# Altium PCB PA_8CH_CTRL.PcbDoc (part 6 of 11) (continued)
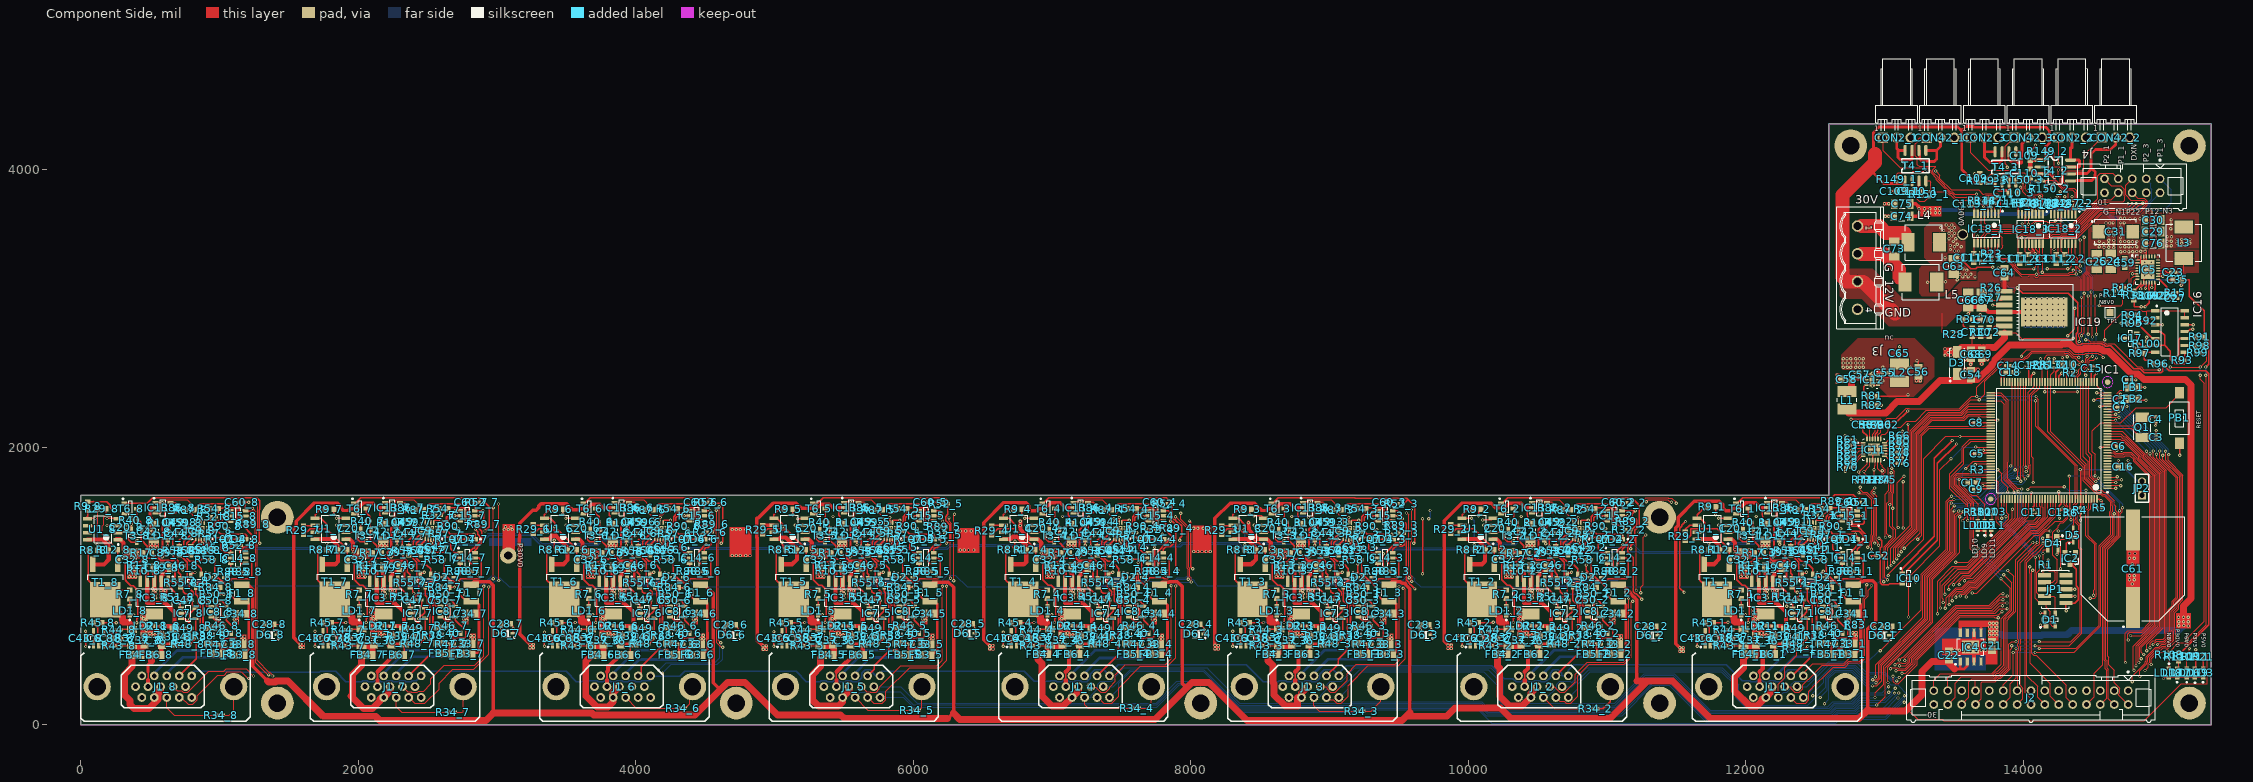
[diagram p0: Component Side view]
## Nets (pads, with @x,y where several pads share a name; then routed paths per layer and width w, separated by ;. In a path a pad name is that pad's centre, name@x,y a point inside that pad or via, vN(x,y) a via of type N, cw(c..) or ccw(c..) an arc to the next point about the centre after c; other vN are vias at no path point) (continued)
MEAS_I_N8V_7: C46_7.1 IC9_7.10 R55_7.2 | length 495.8
  Component Side w10: v1(2316.73,1286.95) 2316.73,1376.01 2350.56,1409.84 IC9_7.10@2455.47,1409.84 ; v1(2320.54,1229.14) 2320.54,1214.51 2354.54,1180.51 2354.54,1102.24 2373.54,1083.24 R55_7.2@2373.54,1056.5
  Solder Side w10: v1(2316.73,1286.95) 2320.54,1283.14 v1(2320.54,1229.14)
MEAS_I_N8V_8: C46_8.1 IC9_8.10 R55_8.2 | length 495.8
  Component Side w10: v1(663.19,1285.81) 663.19,1374.87 697.02,1408.7 IC9_8.10@801.93,1408.7 ; v1(667,1228) 667,1213.37 701,1179.37 701,1101.1 720,1082.1 R55_8.2@720,1055.35
  Solder Side w10: v1(663.19,1285.81) 667,1282 v1(667,1228)
MEAS_I_P6V_1: C44_1.1 IC9_1.11 R53_1.2 | length 159.6
  Component Side w10: R53_1.2@12331.17,1287.64 12325.17,1293.64 12325.17,1330.14 12357.89,1362.86 C44_1.1@12357.89,1381.14 ; C44_1.1@12366.89,1388.14 12368.91,1390.16 IC9_1.11@12416.1,1390.16
MEAS_I_P6V_2: C44_2.1 IC9_2.11 R53_2.2 | length 159.6
  Component Side w10: R53_2.2@10638.26,1287.64 10632.26,1293.64 10632.26,1330.14 10664.98,1362.86 C44_2.1@10664.98,1381.14 ; C44_2.1@10673.98,1388.14 10675.99,1390.16 IC9_2.11@10723.19,1390.16
MEAS_I_P6V_3: C44_3.1 IC9_3.11 R53_3.2 | length 159.6
  Component Side w10: R53_3.2@8984.72,1287.64 8978.72,1293.64 8978.72,1330.14 9011.43,1362.86 C44_3.1@9011.43,1381.14 ; C44_3.1@9020.43,1388.14 9022.45,1390.16 IC9_3.11@9069.65,1390.16
MEAS_I_P6V_4: C44_4.1 IC9_4.11 R53_4.2 | length 159.6
  Component Side w10: R53_4.2@7331.17,1287.64 7325.17,1293.64 7325.17,1330.14 7357.89,1362.86 C44_4.1@7357.89,1381.14 ; C44_4.1@7366.89,1388.14 7368.91,1390.16 IC9_4.11@7416.1,1390.16
MEAS_I_P6V_5: C44_5.1 IC9_5.11 R53_5.2 | length 159.6
  Component Side w10: R53_5.2@5677.63,1287.64 5671.63,1293.64 5671.63,1330.14 5704.35,1362.86 C44_5.1@5704.35,1381.14 ; C44_5.1@5713.35,1388.14 5715.36,1390.16 IC9_5.11@5762.56,1390.16
MEAS_I_P6V_6: C44_6.1 IC9_6.11 R53_6.2 | length 159.6
  Component Side w10: R53_6.2@4024.09,1287.64 4018.09,1293.64 4018.09,1330.14 4050.8,1362.86 C44_6.1@4050.8,1381.14 ; C44_6.1@4059.8,1388.14 4061.82,1390.16 IC9_6.11@4109.02,1390.16
MEAS_I_P6V_7: C44_7.1 IC9_7.11 R53_7.2 | length 159.6
  Component Side w10: R53_7.2@2370.54,1287.64 2364.54,1293.64 2364.54,1330.14 2397.26,1362.86 C44_7.1@2397.26,1381.14 ; C44_7.1@2406.26,1388.14 2408.28,1390.16 IC9_7.11@2455.47,1390.16
MEAS_I_P6V_8: C44_8.1 IC9_8.11 R53_8.2 | length 159.6
  Component Side w10: R53_8.2@717,1286.5 711,1292.5 711,1329 743.72,1361.72 C44_8.1@743.72,1380 ; C44_8.1@752.72,1387 754.73,1389.02 IC9_8.11@801.93,1389.02
MEAS_I_P29V_1: C39_1.1 IC9_1.12 R45_1.2 | length 1354.8
  Component Side w10: R45_1.2@11768.11,736.46 11868.46,736.46 v1(11872,740) ; 11940.17,1038.14 11972.92,1005.39 11992.83,1005.39 12025.17,973.05 12025.17,773.09 12018.17,766.09 v1(12018.17,738.14) ; 11941.07,1039.04 11933.23,1046.87 11933.23,1160.98 11949.3,1177.05 12043.08,1177.05 12067.84,1201.81 12128.19,1201.81 v1(12130,1200) ; v1(12198.06,1212.25) 12200.72,1214.91 12232.85,1214.91 12244,1226.06 12244,1236.25 C39_1.1@12250.89,1243.14 12266.7,1258.95 12300.62,1258.95 ; 12300.65,1258.92 12348.41,1258.92 12357.54,1268.05 12357.54,1332.8 12395.21,1370.47 IC9_1.12@12416.1,1370.47
  Solder Side w10: v1(11872,740) 12016.31,740 v1(12018.17,738.14) ; v1(12130,1200) 12155.81,1200 12170.81,1185 v1(12198.06,1212.25)
MEAS_I_P29V_2: C39_2.1 IC9_2.12 R45_2.2 | length 1343.6
  Component Side w10: R45_2.2@10075.2,736.46 10175.46,736.46 v1(10179,740) ; 10247.26,1038.14 10280.01,1005.39 10299.91,1005.39 10332.26,973.05 10332.26,773.09 10325.26,766.09 v1(10325.26,738.14) ; 10248.15,1039.04 10240.31,1046.87 10240.31,1160.98 10256.39,1177.05 10350.17,1177.05 10375.72,1202.61 10432.39,1202.61 v1(10435,1200) ; v1(10505.15,1212.25) 10507.81,1214.91 10539.94,1214.91 10550.77,1225.75 10550.77,1235.94 C39_2.1@10557.98,1243.14 10573.79,1258.95 10607.71,1258.95 ; 10607.74,1258.92 10655.5,1258.92 10664.63,1268.05 10664.63,1333.89 10701.21,1370.47 IC9_2.12@10723.19,1370.47
  Solder Side w10: v1(10179,740) 10323.4,740 v1(10325.26,738.14) ; v1(10435,1200) 10492.9,1200 v1(10505.15,1212.25)
MEAS_I_P29V_3: C39_3.1 IC9_3.12 R45_3.2 | length 1356
  Component Side w10: R45_3.2@8421.65,736.46 8522.03,736.46 v1(8523.72,738.14) ; 8593.72,1038.14 8626.46,1005.39 8646.37,1005.39 8678.72,973.05 8678.72,773.09 8671.72,766.09 v1(8671.72,738.14) ; 8594.61,1039.04 8586.77,1046.87 8586.77,1160.98 8602.84,1177.05 8696.62,1177.05 8721.39,1201.81 8747.45,1201.81 8759.26,1190 8769.26,1200 v1(8780,1200) ; v1(8851.61,1212.25) 8854.27,1214.91 8886.39,1214.91 8897.23,1225.75 8897.23,1235.94 C39_3.1@8904.43,1243.14 8920.24,1258.95 8954.17,1258.95 ; 8954.2,1258.92 9001.96,1258.92 9011.09,1268.05 9011.09,1323.35 9058.21,1370.47 IC9_3.12@9069.65,1370.47
  Solder Side w10: v1(8523.72,738.14) v1(8671.72,738.14) ; v1(8780,1200) 8809.35,1200 8824.35,1185 v1(8851.61,1212.25)
MEAS_I_P29V_4: C39_4.1 IC9_4.12 R45_4.2 | length 1333.4
  Component Side w10: R45_4.2@6768.11,736.46 6868.49,736.46 v1(6870.17,738.14) ; 6940.17,1038.14 6972.92,1005.39 6992.83,1005.39 7025.17,973.05 7025.17,773.09 7018.17,766.09 v1(7018.17,738.14) ; 6941.07,1039.04 6933.23,1046.87 6933.23,1160.98 6949.3,1177.05 7043.08,1177.05 7066.03,1200 v1(7130,1200) ; v1(7198.06,1212.25) 7200.72,1214.91 7232.85,1214.91 7243.69,1225.75 7243.69,1235.94 C39_4.1@7250.89,1243.14 7266.7,1258.95 7300.62,1258.95 ; 7300.65,1258.92 7348.41,1258.92 7357.54,1268.05 7357.54,1322.77 7405.24,1370.47 IC9_4.12@7416.1,1370.47
  Solder Side w10: v1(6870.17,738.14) v1(7018.17,738.14) ; v1(7130,1200) 7185.81,1200 v1(7198.06,1212.25)
MEAS_I_P29V_5: C39_5.1 IC9_5.12 R45_5.2 | length 1339.7
  Component Side w10: R45_5.2@5114.57,736.46 5214.94,736.46 v1(5216.63,738.14) ; 5286.63,1038.14 5319.38,1005.39 5339.28,1005.39 5371.63,973.05 5371.63,773.09 5364.63,766.09 v1(5364.63,738.14) ; 5287.52,1039.04 5279.69,1046.87 5279.69,1160.98 5295.76,1177.05 5389.54,1177.05 5415.09,1202.61 5441.73,1202.61 5449.34,1195 v1(5475,1195) ; v1(5544.52,1212.25) 5547.18,1214.91 5579.31,1214.91 5590.14,1225.75 5590.14,1235.94 C39_5.1@5597.35,1243.14 5613.16,1258.95 5647.08,1258.95 5694.87,1258.92 5704,1268.05 5704,1322.77 5751.7,1370.47 IC9_5.12@5762.56,1370.47
  Solder Side w10: v1(5216.63,738.14) v1(5364.63,738.14) ; v1(5475,1195) 5527.27,1195 v1(5544.52,1212.25)
MEAS_I_P29V_6: C39_6.1 IC9_6.12 R45_6.2 | length 1352.1
  Component Side w10: R45_6.2@3461.02,736.46 3561.4,736.46 v1(3563.09,738.14) ; 3633.09,1038.14 3665.83,1005.39 3685.74,1005.39 3718.09,973.05 3718.09,773.09 3711.09,766.09 v1(3711.09,738.14) ; 3633.98,1039.04 3626.14,1046.87 3626.14,1160.98 3642.21,1177.05 3735.99,1177.05 3761.55,1202.61 3788.19,1202.61 3800.79,1190 3810.79,1200 v1(3820,1200) ; v1(3890.98,1212.25) 3893.64,1214.91 3925.76,1214.91 3936.6,1225.75 3936.6,1235.94 C39_6.1@3943.8,1243.14 3959.61,1258.95 3993.54,1258.95 4041.33,1258.92 4050.46,1268.05 4050.46,1322.77 4098.16,1370.47 IC9_6.12@4109.02,1370.47
  Solder Side w10: v1(3563.09,738.14) v1(3711.09,738.14) ; v1(3820,1200) 3858.72,1200 3868.72,1190 v1(3890.98,1212.25)
MEAS_I_P29V_7: C39_7.1 IC9_7.12 R45_7.2 | length 1333.4
  Component Side w10: R45_7.2@1807.48,736.46 1907.86,736.46 v1(1909.54,738.14) ; 1979.54,1038.14 2012.29,1005.39 2032.2,1005.39 2064.54,973.05 2064.54,773.09 2057.54,766.09 v1(2057.54,738.14) ; 1980.44,1039.04 1972.6,1046.87 1972.6,1160.98 1988.67,1177.05 2082.45,1177.05 2105.4,1200 v1(2165,1200) ; v1(2237.43,1212.25) 2240.09,1214.91 2272.22,1214.91 2283.06,1225.75 2283.06,1235.94 C39_7.1@2290.26,1243.14 2306.07,1258.95 2339.99,1258.95 2387.78,1258.92 2396.91,1268.05 2396.91,1322.77 2444.61,1370.47 IC9_7.12@2455.47,1370.47
  Solder Side w10: v1(1909.54,738.14) v1(2057.54,738.14) ; v1(2165,1200) 2225.18,1200 v1(2237.43,1212.25)
MEAS_I_P29V_8: C39_8.1 IC9_8.12 R45_8.2 | length 1342.9
  Component Side w10: R45_8.2@153.94,735.31 254.32,735.31 v1(256,737) ; 326,1037 358.75,1004.25 378.65,1004.25 411,971.91 411,771.95 404,764.95 v1(404,737) ; 326.89,1037.89 319.06,1045.73 319.06,1159.84 335.13,1175.91 428.91,1175.91 454.46,1201.46 513.54,1201.46 v1(515,1200) ; v1(587,1211) 589.77,1213.77 618.68,1213.77 629.51,1224.61 629.51,1234.8 C39_8.1@636.72,1242 652.53,1257.81 686.45,1257.81 ; 686.48,1257.78 734.24,1257.78 743.37,1266.91 743.37,1321.63 791.07,1369.33 IC9_8.12@801.93,1369.33
  Solder Side w10: v1(256,737) v1(404,737) ; v1(515,1200) 556,1200 566,1190 v1(587,1211)
MEAS_P3V3MP_1: C49_1.1 IC9_1.9 R58_1.2 R59_1.1 | length 505.1
  Component Side w10: C49_1.1@12331.17,1442.43 12333.96,1439.64 12370.17,1439.64 12380.28,1429.53 12392.17,1429.53 12392.17,1434.14 v1(12395.17,1437.14) ; v1(12399,1342) 12399,1333.42 12400,1332.42 12377.49,1309.91 12377.49,1202.37 12400.53,1179.33 12469.62,1179.33 12486.22,1195.93 12535.88,1195.93 R58_1.2@12541.67,1190.14
  Solder Side w10: v1(12395.17,1437.14) 12400,1432.31 12399,1431.31 v1(12399,1342)
MEAS_P3V3MP_2: C49_2.1 IC9_2.9 R58_2.2 R59_2.1 | length 505.2
  Component Side w10: C49_2.1@10638.26,1442.43 10641.05,1439.64 10677.26,1439.64 10687.37,1429.53 10699.26,1429.53 10699.26,1434.14 v1(10702.26,1437.14) ; v1(10707,1344) 10707,1332.34 10684.57,1309.91 10684.57,1202.37 10708.76,1178.19 10776.45,1178.19 10794.19,1195.93 10842.97,1195.93 R58_2.2@10848.76,1190.14
  Solder Side w10: v1(10702.26,1437.14) 10707,1432.4 v1(10707,1344)
MEAS_P3V3MP_3: C49_3.1 IC9_3.9 R58_3.2 R59_3.1 | length 509.6
  Component Side w10: C49_3.1@8984.72,1442.43 8987.5,1439.64 9023.72,1439.64 9033.83,1429.53 9045.72,1429.53 9045.72,1434.14 v1(9048.72,1437.14) ; v1(9060,1340) 9031.03,1311.03 9031.03,1202.37 9054.07,1179.33 9123.17,1179.33 9139.76,1195.93 9189.43,1195.93 R58_3.2@9195.21,1190.14
  Solder Side w10: v1(9048.72,1437.14) 9060,1425.86 v1(9060,1340)
MEAS_P3V3MP_4: C49_4.1 IC9_4.9 R58_4.2 R59_4.1 | length 518
  Component Side w10: C49_4.1@7331.17,1442.43 7333.96,1439.64 7370.17,1439.64 7380.28,1429.53 7392.17,1429.53 7392.17,1434.14 v1(7395.17,1437.14) ; v1(7412,1338) 7405.58,1338 7377.49,1309.91 7377.49,1202.37 7400.53,1179.33 7469.62,1179.33 7486.22,1195.93 7535.88,1195.93 R58_4.2@7541.67,1190.14
  Solder Side w10: v1(7395.17,1437.14) 7412,1420.31 v1(7412,1338)
MEAS_P3V3MP_5: C49_5.1 IC9_5.9 R58_5.2 R59_5.1 | length 517
  Component Side w10: C49_5.1@5677.63,1442.43 5680.42,1439.64 5716.63,1439.64 5726.74,1429.53 5738.63,1429.53 5738.63,1434.14 v1(5741.63,1437.14) ; v1(5759,1341) 5755.03,1341 5723.94,1309.91 5723.94,1202.37 5746.99,1179.33 5816.08,1179.33 5832.68,1195.93 5882.34,1195.93 R58_5.2@5888.13,1190.14
  Solder Side w10: v1(5741.63,1437.14) 5759,1419.77 v1(5759,1341)
MEAS_P3V3MP_6: C49_6.1 IC9_6.9 R58_6.2 R59_6.1 | length 512.7
  Component Side w10: C49_6.1@4024.09,1442.43 4026.87,1439.64 4063.09,1439.64 4073.2,1429.53 4085.09,1429.53 4085.09,1434.14 v1(4088.09,1437.14) ; v1(4102,1340) 4100.49,1340 4070.4,1309.91 4070.4,1202.37 4093.44,1179.33 4162.54,1179.33 4179.13,1195.93 4228.8,1195.93 R58_6.2@4234.58,1190.14
  Solder Side w10: v1(4088.09,1437.14) 4102,1423.23 v1(4102,1340)
MEAS_P3V3MP_7: C49_7.1 IC9_7.9 R58_7.2 R59_7.1 | length 515.6
  Component Side w10: C49_7.1@2370.54,1442.43 2373.33,1439.64 2409.54,1439.64 2419.65,1429.53 2431.54,1429.53 2431.54,1434.14 v1(2434.54,1437.14) ; v1(2453,1346) v1(2453,1346) 2416.86,1309.91 2416.86,1202.37 2439.9,1179.33 2508.99,1179.33 2525.59,1195.93 2575.25,1195.93 R58_7.2@2581.04,1190.14
  Solder Side w10: v1(2434.54,1437.14) 2453,1418.69 v1(2453,1346)
MEAS_P3V3MP_8: C49_8.1 IC9_8.9 R58_8.2 R59_8.1 | length 514.4
  Component Side w10: C49_8.1@717,1441.28 719.79,1438.5 756,1438.5 766.11,1428.39 778,1428.39 778,1433 v1(781,1436) ; v1(797,1341) 795.55,1341 763.31,1308.77 763.31,1201.23 786.36,1178.19 855.45,1178.19 872.05,1194.79 921.71,1194.79 R58_8.2@927.5,1189
  Solder Side w10: v1(781,1436) 797,1420 v1(797,1341)
N8V0: C26.1 C27.1 C29.2 C30.2 C31.2 C35.1 C42_1.2 C42_2.2 C42_3.2 C42_4.2 C42_5.2 C42_6.2 C42_7.2 C42_8.2 C59.2 C62.1 C74.2 C75.2 C76.2 IC5.1 IC5.2 IC5.10 IC5.26 IC5.27 IC5.28 IC5.29 IC13_1.2 IC13_2.2 IC13_3.2 IC13_4.2 IC13_5.2 IC13_6.2 IC13_7.2 IC13_8.2 R19.1 R20.1 R33.1 R91.2 R108.1 | length 20866.5
  Component Side w6: R108.1@15054.28,519.8 R108.1@15050.4,523.69 15117.27,590.55 15167.42,590.55 15168.55,589.43 15185.79,589.43 15317.12,720.76 15317.12,2517.53 v2(15314.96,2519.69)
  Component Side w10: 2156.18,1565.31 2156.18,1510.87 2161.72,1505.34 2161.72,1471.79 C42_7.2@2181.5,1452.01 ; 3809.72,1565.31 3809.72,1510.87 3815.26,1505.34 3815.26,1471.79 C42_6.2@3835.04,1452.01 ; 5463.27,1565.31 5463.27,1510.87 5468.8,1505.34 5468.8,1471.79 C42_5.2@5488.58,1452.01 ; 7116.81,1565.31 7116.81,1510.87 7122.35,1505.34 7122.35,1471.79 C42_4.2@7142.13,1452.01 ; 8770.35,1565.31 8770.35,1510.87 8775.89,1505.34 8775.89,1471.79 C42_3.2@8795.67,1452.01 ; 10423.9,1565.31 10423.9,1510.87 10429.43,1505.34 10429.43,1471.79 C42_2.2@10449.21,1452.01 ; 12116.81,1565.31 12116.81,1510.87 12122.35,1505.34 12122.35,1471.79 C42_1.2@12142.13,1452.01 ; v1(14786.86,3343.61) 14799.65,3330.82 IC5.2@14822.06,3330.82 IC5.29@14847.65,3330.82 ; R33.1@14793.86,3068.11 14798.86,3063.11 14798.86,3014.1 v1(14849.41,3014.1) v1(14877.29,3014.1) 14905.86,3042.67 R19.1@14905.86,3075.1 14906.65,3075.89 14951.84,3074.98 14989.86,3074.21 R20.1@14995.04,3074.1 ; IC5.1@14822.06,3350.5 IC5.29@14847.65,3350.5 ; v1(14846.86,3141.61) 14846.86,3153.48 14867.33,3173.95 IC5.10@14867.33,3187.12 14867.33,3252.08 IC5.29@14896.86,3281.61 ; IC5.28@14847.65,3376.09 IC5.29@14847.65,3350.5 ; IC5.29@14852.86,3330.61 14852.65,3330.82 IC5.29@14847.65,3330.82 ; IC5.27@14867.33,3376.09 14867.33,3311.13 IC5.29@14847.65,3330.82 ; v1(14876.86,3414.61) 14887.02,3404.45 IC5.26@14887.02,3376.09 IC5.29@14887.02,3324.91 ; R20.1@14989.86,3074.1 R20.1@14995.04,3074.1 ; C26.1@15034.86,3074.1 R20.1@14995.04,3074.1 ; C26.1@15034.86,3075.89 15036.65,3074.1 15078.04,3074.1 C27.1@15078.74,3074.8 ; C35.1@15143.35,3209.61 15144.3,3208.66 15196.85,3208.66 15196.85,3090.55 15302.91,2984.49 R91.2@15302.91,2798.8 15334.65,2767.07 15334.65,2598.43 v2(15314.96,2578.74) ; IC5.29@14847.65,3330.82 IC5.29@14847.65,3350.5
  Component Side w25: v1(504,1406) 508.17,1410.17 508.17,1490.21 499.14,1499.25 499.14,1545.26 508.17,1554.3 508.17,1564.17 IC13_8.2@539.29,1564.17 ; v1(1582,583) 1535.43,629.57 1535.43,1420.98 1553.93,1439.48 1553.93,1468.93 1684,1599 1850,1599 1873,1576 1873,1565 1893,1545 1929,1545 1943,1559 1996,1559 2036,1599 2105,1599 2138.69,1565.31 2156.18,1565.31 IC13_7.2@2192.83,1565.31 ; v1(3238,580) 3163.39,654.61 3163.39,1287.81 3161.62,1289.58 3161.62,1344.28 3163.39,1346.04 3163.39,1452.76 3258.32,1547.69 3281.56,1547.69 3299.31,1565.44 3299.31,1575.08 3317.23,1593 3502.69,1593 3513.97,1581.72 3513.97,1580.03 3545,1549 3586,1549 3595,1558 3651.09,1558 3683.68,1590.59 3740.34,1590.59 3765.61,1565.31 3809.72,1565.31 IC13_6.2@3846.38,1565.31 ; v1(4917,569) 4874.02,611.98 4874.02,1349.82 4870.29,1353.55 4870.29,1488.97 4880.97,1488.97 4989,1597 5157,1597 5191.3,1562.7 5191.3,1561.42 5308.05,1561.42 5337.22,1590.59 5393.88,1590.59 5419.15,1565.31 5463.27,1565.31 IC13_5.2@5499.92,1565.31 ; v1(6551,571) 6506.89,615.11 6506.89,1457.89 6650,1601 6813,1601 6833,1581 6833,1559 6849,1543 6887,1543 6901,1557 6948.48,1557 6992.48,1601 7060,1601 7095.69,1565.31 7116.81,1565.31 IC13_4.2@7153.46,1565.31 ; v1(8174,573) 8174,1488 8283,1597 8459.32,1597 8474.6,1581.72 8474.6,1580.4 8510,1545 8545,1545 8551.58,1551.58 8552.15,1551.58 8556.57,1556 8609,1556 8646,1593 8717,1593 8744.69,1565.31 8770.35,1565.31 IC13_3.2@8807.01,1565.31 ; v1(9854,575) 9826.77,602.23 9826.77,1469.77 9953,1596 10165,1596 10195.6,1565.4 10211.6,1565.4 10214,1563 10261.56,1563 10274.8,1576.23 10274.8,1577 10294.8,1597 10380,1597 10411.69,1565.31 10423.9,1565.31 IC13_2.2@10460.55,1565.31 ; v1(11525,555) 11495.28,584.72 11495.28,1420.19 11514.56,1439.48 11514.56,1497.56 11629,1612 11809,1612 11832,1589 11832,1566 11854,1544 11891.03,1544 11908.03,1561 11957,1561 11998,1602 12072,1602 12108.68,1565.31 12116.81,1565.31 IC13_1.2@12153.46,1565.31 ; C74.2@13184.06,3665 13235,3665 13248.03,3678.03 v2(13248.03,3690.94) ; C75.2@13190,3755 13225,3755 13248.03,3731.97 v2(13248.03,3720.47) ; v2(15137.8,3169.29) 15143.35,3174.85 C35.1@15143.35,3209.61
  Signal Layer 1 w25: v1(504,1406) v1(504,1384) 504,1377 444.31,1317.31 444.31,1221.44 432,1209.13 432,938 698,672 ; v1(8174,573) 8266.71,573 8290.16,596.45 8315.27,596.45 8325.89,585.83 8453.54,585.83 8461.16,593.45 8486.27,593.45 8504.72,575 v1(9854,575)
  Solder Side w10: v2(15314.96,2519.69) v2(15314.96,2578.74)
  Solder Side w30: 13297.24,3710.63 13533.46,3710.63 13562.99,3681.1 14163.39,3681.1 14202.76,3720.47 14570.26,3720.47 14640.13,3650.61 v1(14700.86,3650.61)
  other v1: 11549,530 11525,531 4942,544 4918,545 6575,547 8198,547 6551,548 8174,548 9878,550 9854,551 3262,555 11548,555 3238,556 1606,558 1582,559 4941,569 6574,572 8197,572 9877,575 3261,580 1605,583 528,1383 527,1408 14875.11,3236.81 14920.61,3236.81 14897.86,3263.61 14875.11,3290.41 14920.61,3290.41 14897.86,3311.61 14875.11,3332.81 14920.61,3332.81 14786.86,3373.61 14701.86,3410.61 14760.86,3410.61 14787.86,3410.61 14730.86,3411.61 14817.86,3411.61 14846.86,3412.61 14700.86,3444.61 14759.86,3444.61 14786.86,3444.61 14729.86,3445.61 14816.86,3445.61 14700.86,3482.61 14759.86,3482.61 14786.86,3482.61 14729.86,3483.61 14816.86,3483.61 14700.86,3511.61 14700.86,3544.61 14700.86,3585.61 14700.86,3617.61 14727.86,3617.61 14768.86,3645.61 14806.86,3645.61 14840.86,3646.61 14728.86,3650.61
  other v2: 13287.4,3690.94 13326.77,3690.94 13366.14,3690.94 13395.67,3690.94 13287.4,3720.47 13326.77,3720.47 13366.14,3720.47 13395.67,3720.47
N8V0_CH_1: C33_1.2 FB5_1.1 R38_1.2 R47_1.2 | length 279.1
  Component Side w20: R38_1.2@12539.17,587.91 12607.76,587.91 R47_1.2@12615.67,580 12621.26,574.41 12621.26,509.17 12625.43,505 12670.72,550.29 12670.72,551.8 12673.93,555 12688.74,555 C33_1.2@12713.74,580
N8V0_CH_2: C33_2.2 FB5_2.1 R38_2.2 R47_2.2 | length 238.2
  Component Side w20: R38_2.2@10846.26,587.91 10914.84,587.91 R47_2.2@10922.76,580 10928.35,574.41 10928.35,535 10970.67,535 10990.21,554.54 10995.37,554.54 C33_2.2@11020.83,580
N8V0_CH_3: C33_3.2 FB5_3.1 R38_3.2 R47_3.2 | length 269.2
  Component Side w20: R38_3.2@9192.72,587.91 9261.3,587.91 R47_3.2@9269.21,580 9274.8,574.41 9274.8,520.63 FB5_3.1@9285.43,510 9285.43,513.23 9320,547.8 9335.08,547.8 C33_3.2@9367.28,580
N8V0_CH_4: C33_4.2 FB5_4.1 R38_4.2 R47_4.2 | length 275.9
  Component Side w20: R38_4.2@7539.17,587.91 7607.76,587.91 R47_4.2@7615.67,580 7621.26,574.41 7621.26,514.17 FB5_4.1@7625.43,510 7625.43,518.23 7655,547.8 7678.55,547.8 7710.76,580 C33_4.2@7713.74,580
N8V0_CH_5: C33_5.2 FB5_5.1 R38_5.2 R47_5.2 | length 266.1
  Component Side w20: R38_5.2@5885.63,587.91 5954.21,587.91 R47_5.2@5962.13,580 5967.72,574.41 5967.72,547.8 ; FB5_5.1@5975.43,505 5975.43,540.08 5967.72,547.8 ; C33_5.2@6060.2,580 6027.99,547.8 5967.72,547.8
N8V0_CH_6: C33_6.2 FB5_6.1 R38_6.2 R47_6.2 | length 265.5
  Component Side w20: R38_6.2@4232.09,587.91 4300.67,587.91 R47_6.2@4308.58,580 4314.17,574.41 4314.17,547.8 4374.45,547.8 C33_6.2@4406.65,580
  Component Side w30: 4314.17,547.8 4320.43,541.54 FB5_6.1@4320.43,505
N8V0_CH_7: C33_7.2 FB5_7.1 R38_7.2 R47_7.2 | length 220.5
  Component Side w20: R38_7.2@2578.54,587.91 2647.13,587.91 R47_7.2@2655.04,580 2660.63,574.41 2660.63,547.8 2695.28,547.8 2699.28,551.8 2710.09,551.8 2719.46,561.17 2719.46,561.89 2732.65,561.89 2750.76,580 C33_7.2@2753.11,580
N8V0_CH_8: C33_8.2 FB5_8.1 R38_8.2 R47_8.2 | length 220.1
  Component Side w20: R38_8.2@925,586.77 993.58,586.77 R47_8.2@1001.5,578.86 1007.09,573.27 1007.09,546.65 1067.36,546.65 C33_8.2@1099.57,578.86
NetC1_1: C1.1 FB1.1 IC1.33 | length 251.2
  Component Side w6: IC1.33@14607.26,2334.43 14651.43,2334.43 14676,2359 14676,2389.43 14699.57,2413 FB1.1@14751,2413 ; C1.1@14749.22,2486 14749.22,2439.35 FB1.1@14756.57,2432
NetC2_1: C2.1 FB2.1 IC1.32 | length 152.2
  Component Side w6: IC1.32@14607.26,2314.75 14658.75,2314.75 14672,2328 FB2.1@14754,2328
NetC3_1: C3.1 IC1.23 Q1.1 | length 341.2
  Component Side w6: IC1.23@14607.26,2137.58 14777.42,2137.58 Q1.1@14823,2092 ; Q1.1@14857,2071.17 14872.88,2055.28 C3.1@14957,2055.28
NetC4_1: C4.1 IC1.24 Q1.2 | length 333.2
  Component Side w6: IC1.24@14607.26,2157.27 14785.27,2157.27 Q1.2@14826,2198 ; Q1.2@14857,2216.84 14860.88,2220.72 C4.1@14953,2220.72
NetC17_2: C17.2 IC1.106 | length 106.7
  Component Side w6: C17.2@13660.53,1746 13662.65,1743.88 13696.45,1743.88 13698.38,1745.81 13762.81,1745.81 IC1.106@13764.74,1743.88
NetC18_2: C18.2 IC1.71 | length 68.4
  Component Side w6: IC1.71@13861.2,2470.26 C18.2@13861.2,2538.67
NetC20_1_2: C20_1.2 T3_1.3 U1_1.2 | length 205.1
  Component Side w10: U1_1.2@11871.46,1388.62 11918.37,1388.62 C20_1.2@11930.17,1400.43 11945.17,1385.43 11945.17,1350.14 11976.45,1318.87 T3_1.3@12017.17,1318.87
NetC20_2_2: C20_2.2 T3_2.3 U1_2.2 | length 205.1
  Component Side w10: U1_2.2@10178.54,1388.62 10225.46,1388.62 C20_2.2@10237.26,1400.43 10252.26,1385.43 10252.26,1350.14 10283.54,1318.87 T3_2.3@10324.26,1318.87
NetC20_3_2: C20_3.2 T3_3.3 U1_3.2 | length 205.1
  Component Side w10: U1_3.2@8525,1388.62 8571.91,1388.62 C20_3.2@8583.72,1400.43 8598.72,1385.43 8598.72,1350.14 8629.99,1318.87 T3_3.3@8670.72,1318.87
NetC20_4_2: C20_4.2 T3_4.3 U1_4.2 | length 205.1
  Component Side w10: U1_4.2@6871.46,1388.62 6918.37,1388.62 C20_4.2@6930.17,1400.43 6945.17,1385.43 6945.17,1350.14 6976.45,1318.87 T3_4.3@7017.17,1318.87
NetC20_5_2: C20_5.2 T3_5.3 U1_5.2 | length 205.1
  Component Side w10: U1_5.2@5217.91,1388.62 5264.83,1388.62 C20_5.2@5276.63,1400.43 5291.63,1385.43 5291.63,1350.14 5322.91,1318.87 T3_5.3@5363.63,1318.87
NetC20_6_2: C20_6.2 T3_6.3 U1_6.2 | length 205.1
  Component Side w10: U1_6.2@3564.37,1388.62 3611.28,1388.62 C20_6.2@3623.09,1400.43 3638.09,1385.43 3638.09,1350.14 3669.36,1318.87 T3_6.3@3710.09,1318.87
NetC20_7_2: C20_7.2 T3_7.3 U1_7.2 | length 205.1
  Component Side w10: U1_7.2@1910.83,1388.62 1957.74,1388.62 C20_7.2@1969.54,1400.43 1984.54,1385.43 1984.54,1350.14 2015.82,1318.87 T3_7.3@2056.54,1318.87
NetC20_8_2: C20_8.2 T3_8.3 U1_8.2 | length 221.4
  Component Side w10: U1_8.2@257.28,1387.48 308.2,1387.48 C20_8.2@327,1406.28 331,1402.28 331,1349 362.28,1317.72 T3_8.3@403,1317.72
NetC21_2: C21.2 C54.1 C61.1 D3.1 IC4.5 IC4.8 L1.1 | length 6250.8
  Component Side w50: L1.1@12739.99,2249 13010,2249 13091,2330 13247,2330 13399,2482 C54.1@13623.03,2482 ; C54.1@13623.03,2488.19 13670.42,2488.19 13773.19,2590.96 13773.19,2596.67 13794.83,2618.31 13794.83,2632.29 13900.98,2738.45 14273.31,2738.45 14279.51,2744.65 14337.5,2744.65 14377.95,2704.2 14427.84,2704.2 14435.93,2712.29 14549.78,2712.29 14557.28,2704.78 14567.71,2704.78 14579.72,2692.77 14614.31,2692.77 14777.88,2529.2 14827.6,2529.2 14868.61,2488.19 15169.81,2488.19 15209,2449 15209,912 15154,857 v1(15154,775) 15154,770 v1@15156,768
  Solder Side w50: v1@13793,653 13840.07,653 13849.87,643.2 14131.88,643.2 14138.28,649.61 14316.61,649.61 14346.13,679.13 14746.59,679.13 14754.27,686.81 14789.73,686.81 ; v1(14785,1015) 14785,691.54 14789.73,686.81 ; v1(15156,716) 15119.13,679.13 14797.41,679.13 14789.73,686.81
  other v1: 13758,647 13784,647 13809,647 13758,675 13784,675 13809,675 13809,704 13758,705 13783,705 15189,713 15120,715 13758,733 13783,733 13809,733 15189,743 15120,744 15155,744 15118,776 15189,776 14765,1045 14800,1045 14765,1075 14800,1075
NetC23_1: C23.1 IC5.18 | length 98.5
  Component Side w10: IC5.18@14971.66,3271.76 15023.7,3271.76 15036.57,3258.89 C23.1@15064.86,3258.89
NetC23_2: C23.2 IC5.19 IC5.20 IC5.21 IC5.22 IC5.23 IC5.24 IC5.25 L3.1 | length 142.6
  Component Side w6: C23.2@15098.43,3261.81 15151.57,3261.81 15157.48,3267.72 15157.48,3330.71 L3.1@15170.28,3343.5
NetC26_2: C26.2 IC5.15 R15.2 | length 176.4
  Component Side w10: IC5.15@14971.66,3212.71 14979.76,3212.71 15034.86,3157.61 C26.2@15034.86,3111.32 15072.15,3111.32 R15.2@15075.98,3115.16 ; 15035.86,3142.61 15036.86,3141.61
NetC27_2: C27.2 R15.1 | length 40.8
  Component Side w6: R15.1@15112.99,3115.16 15114.17,3113.98 C27.2@15114.17,3074.8
NetC28_1_2: C28_1.2 D6_1.2 IC13_1.5 R38_1.1 R46_1.2 R86_1.2 R104_1.1 | length 1855.5
  Component Side w10: IC13_1.5@12259.76,1602.72 12295.98,1602.72 R86_1.2@12315.38,1583.32 ; R38_1.1@12539.17,702.09 12597.09,702.09 12610,715 R46_1.2@12610.67,715
  Component Side w15: 12230.01,1183 12191.52,1183 12172.75,1201.77 12172.75,1242.75 12189.75,1259.75 12189.75,1260.94 12202,1273.19 12202,1436.47 R104_1.1@12222.67,1457.14 12222.67,1565.62 IC13_1.5@12259.76,1602.72 ; 12230.04,1183.03 12286.5,1183.03 12294.41,1175.12 12294.41,1052.41 v1(12294,1052) ; v1(12476,991) 12476,893.25 12498.5,870.75 12498.5,850.73 12508,841.23 R38_1.1@12508,697 ; v1(12930,700) 12933.82,696.18 D6_1.2@12933.82,645 12965,645 12988.5,668.5 C28_1.2@12988.5,710
  Signal Layer 1 w15: v1(12585,700) v1(12930,700)
  Solder Side w15: v1(12294,1052) 12355,991 v1(12476,991)
NetC28_2_2: C28_2.2 D6_2.2 IC13_2.5 R38_2.1 R46_2.2 R86_2.2 R104_2.1 | length 1808.1
  Component Side w10: IC13_2.5@10566.85,1602.72 10603.07,1602.72 R86_2.2@10622.47,1583.32 ; R38_2.1@10846.26,702.09 10853.35,695 v1(10895,695) 10897.76,695 R46_2.2@10917.76,715
  Component Side w15: IC13_2.5@10566.85,1602.72 10529.76,1565.62 R104_2.1@10529.76,1457.14 10529.76,1433.76 10505.46,1409.46 10505.46,1270.46 10479.84,1244.84 10479.84,1201.77 10494.66,1186.94 10589.67,1186.94 10601.58,1175.03 10601.58,1059.42 v1(10603,1058) ; v1(10786,1002) 10786,890.34 10806.5,869.84 10806.5,721.5 R38_2.1@10824,704 ; D6_2.2@11263.82,645 v1(11263.82,670) 11263.82,685.31 C28_2.2@11288.5,710
  Signal Layer 1 w15: v1(10895,695) 11238.82,695 v1(11263.82,670)
  Solder Side w15: v1(10603,1058) 10659,1002 v1(10786,1002)